# Altium PCB Sheet1.PcbDoc
Units mil, origin at the board's own origin, x right, y up, seen from the top; angles counter-clockwise.
Board outline 4430 x 5712 mil, 2 copper layers (Top Layer, Bottom Layer); 60 components, 63 nets, 267 pads, 0 vias.
Unrouted connection lines stored in the file: 1.
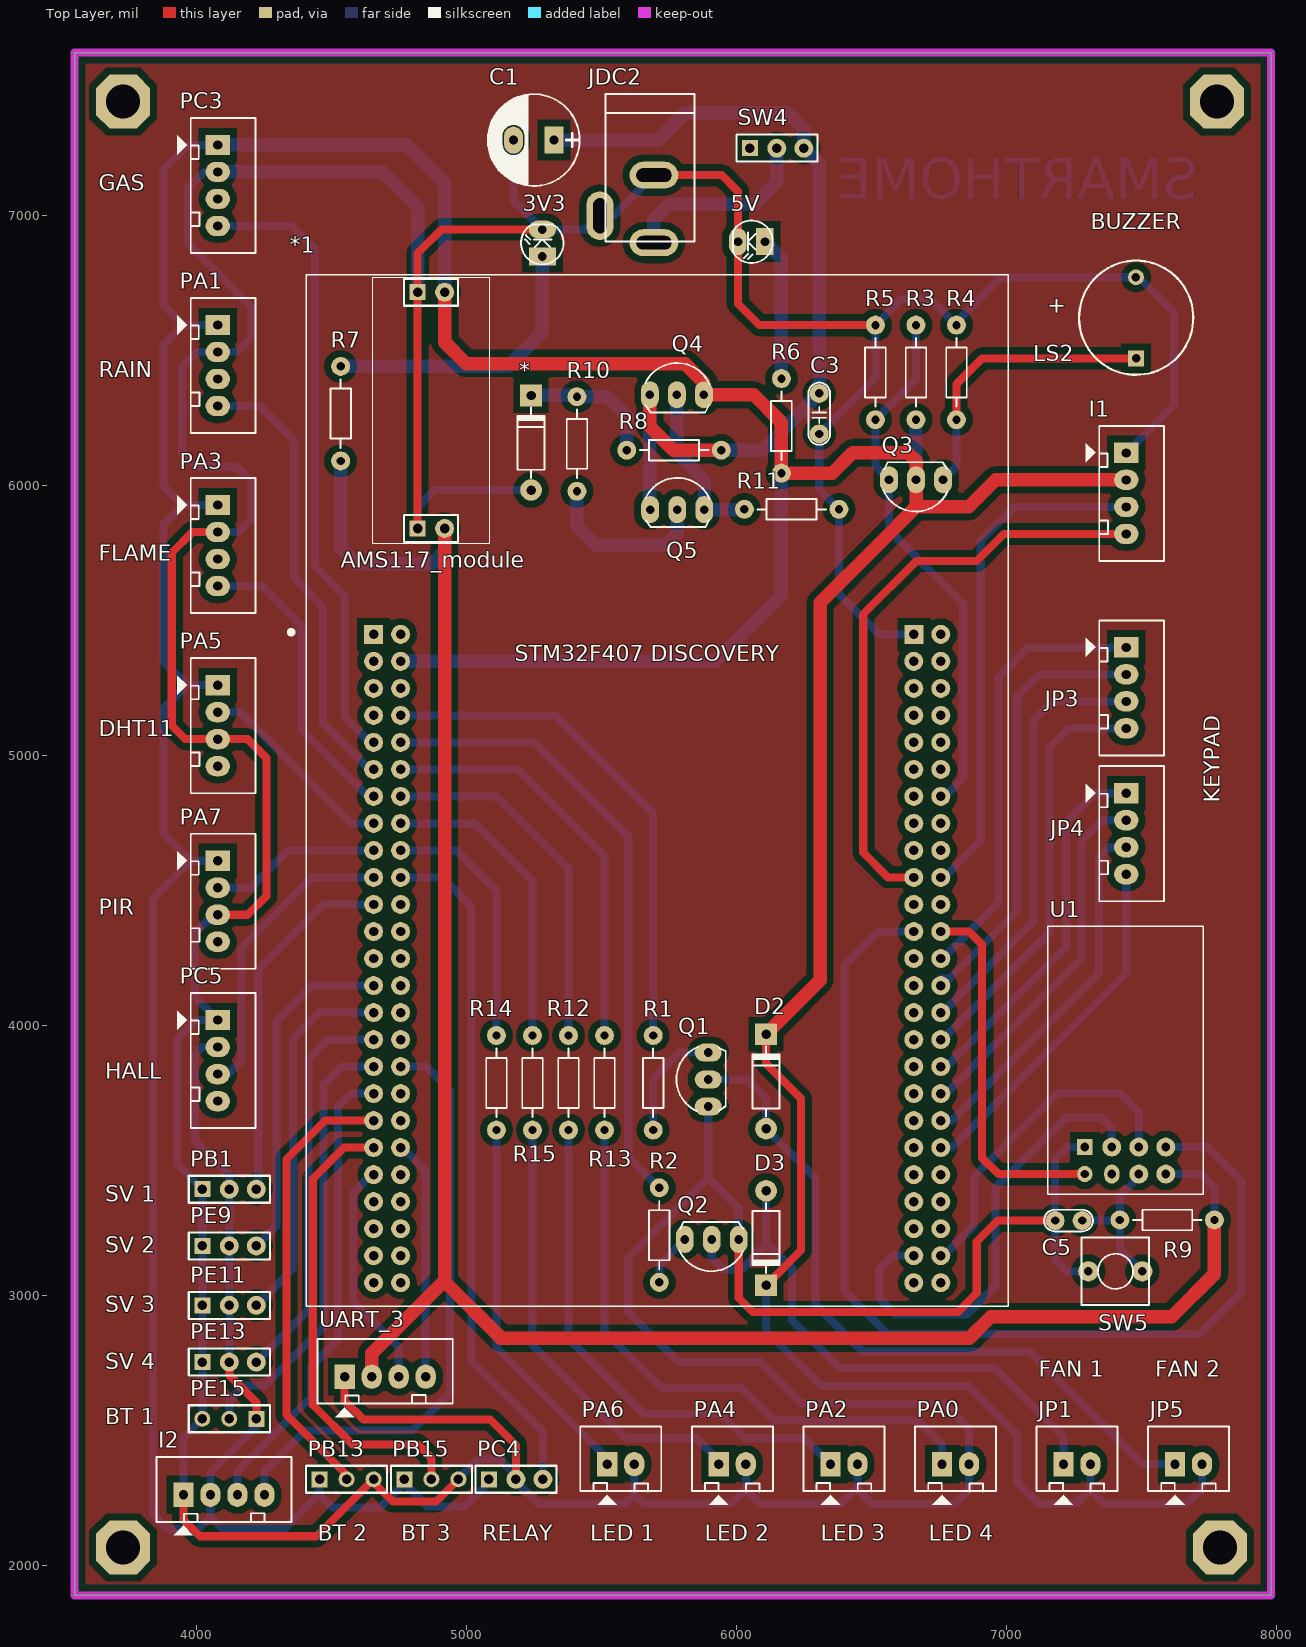
[diagram p0: Top Layer view]
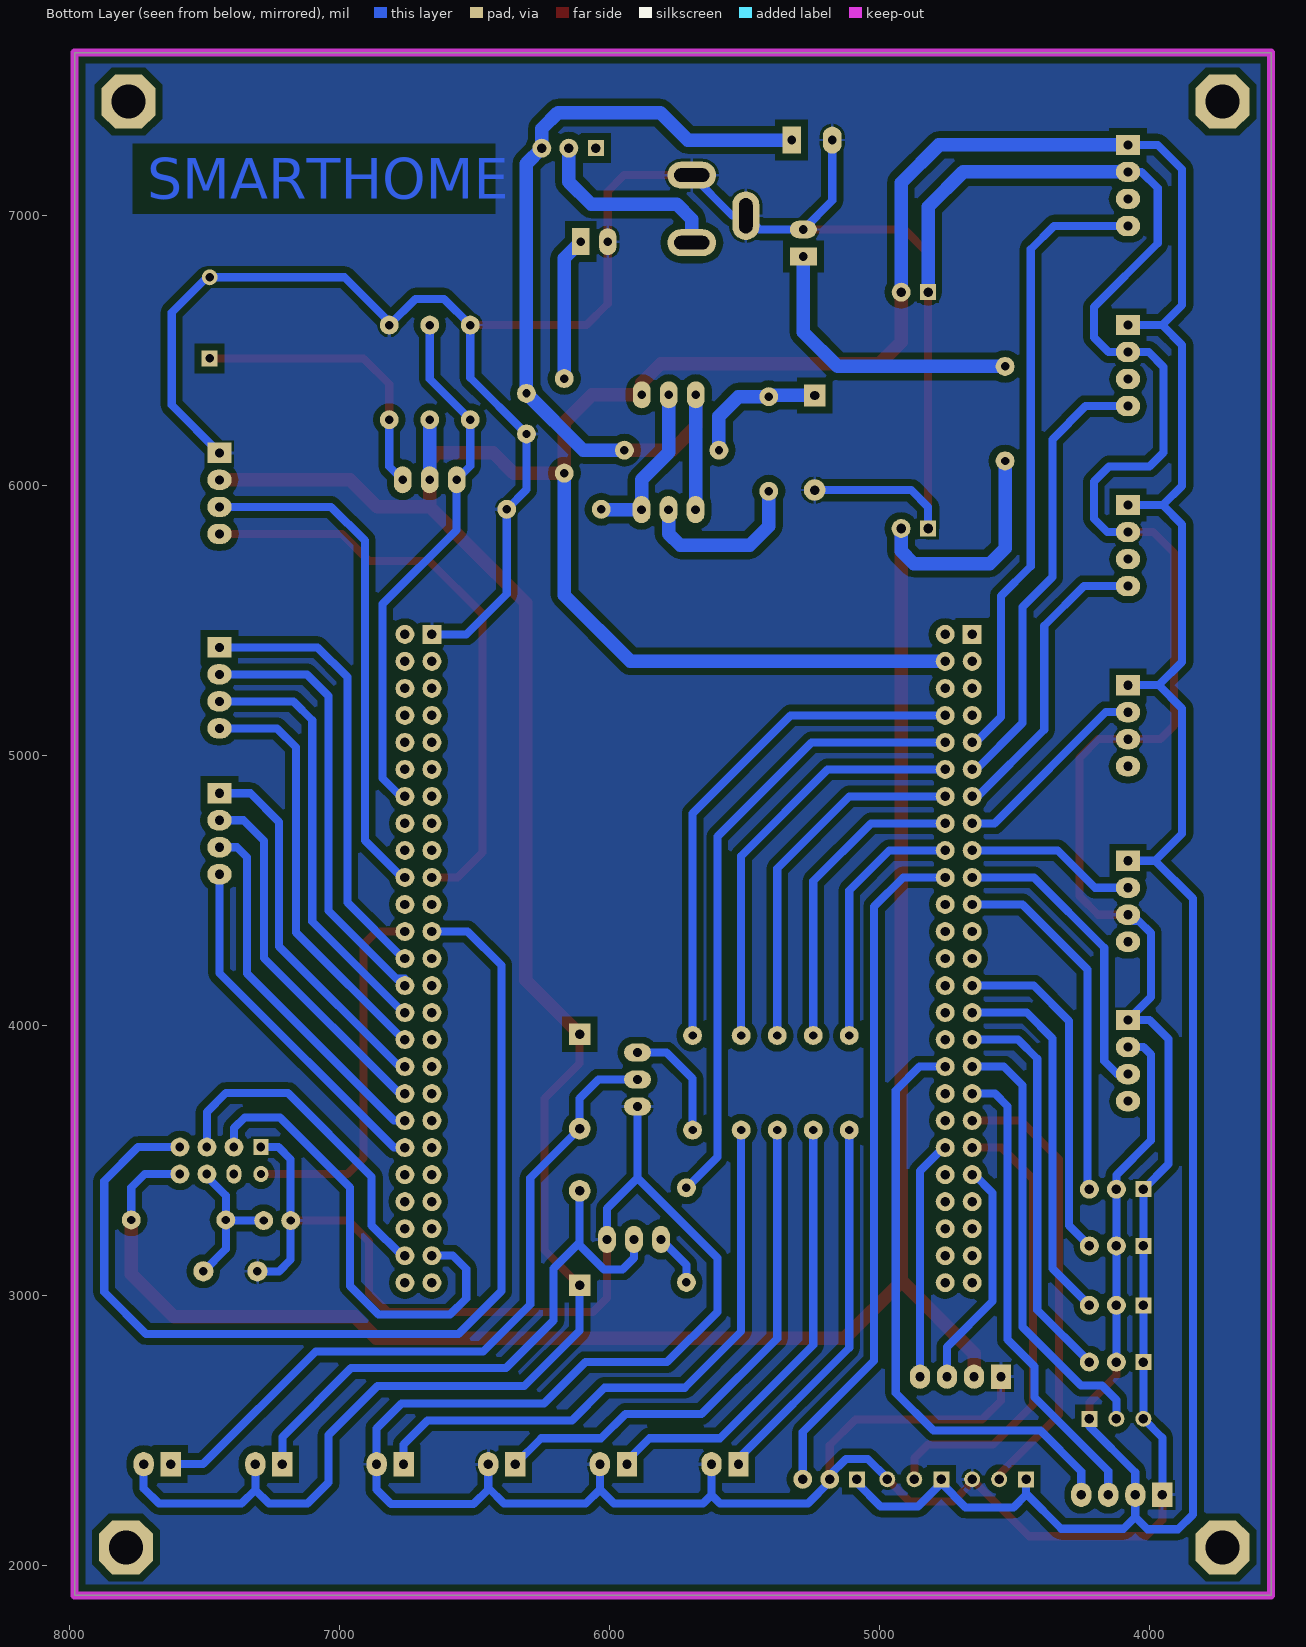
[diagram p1: Bottom Layer view, seen from below]
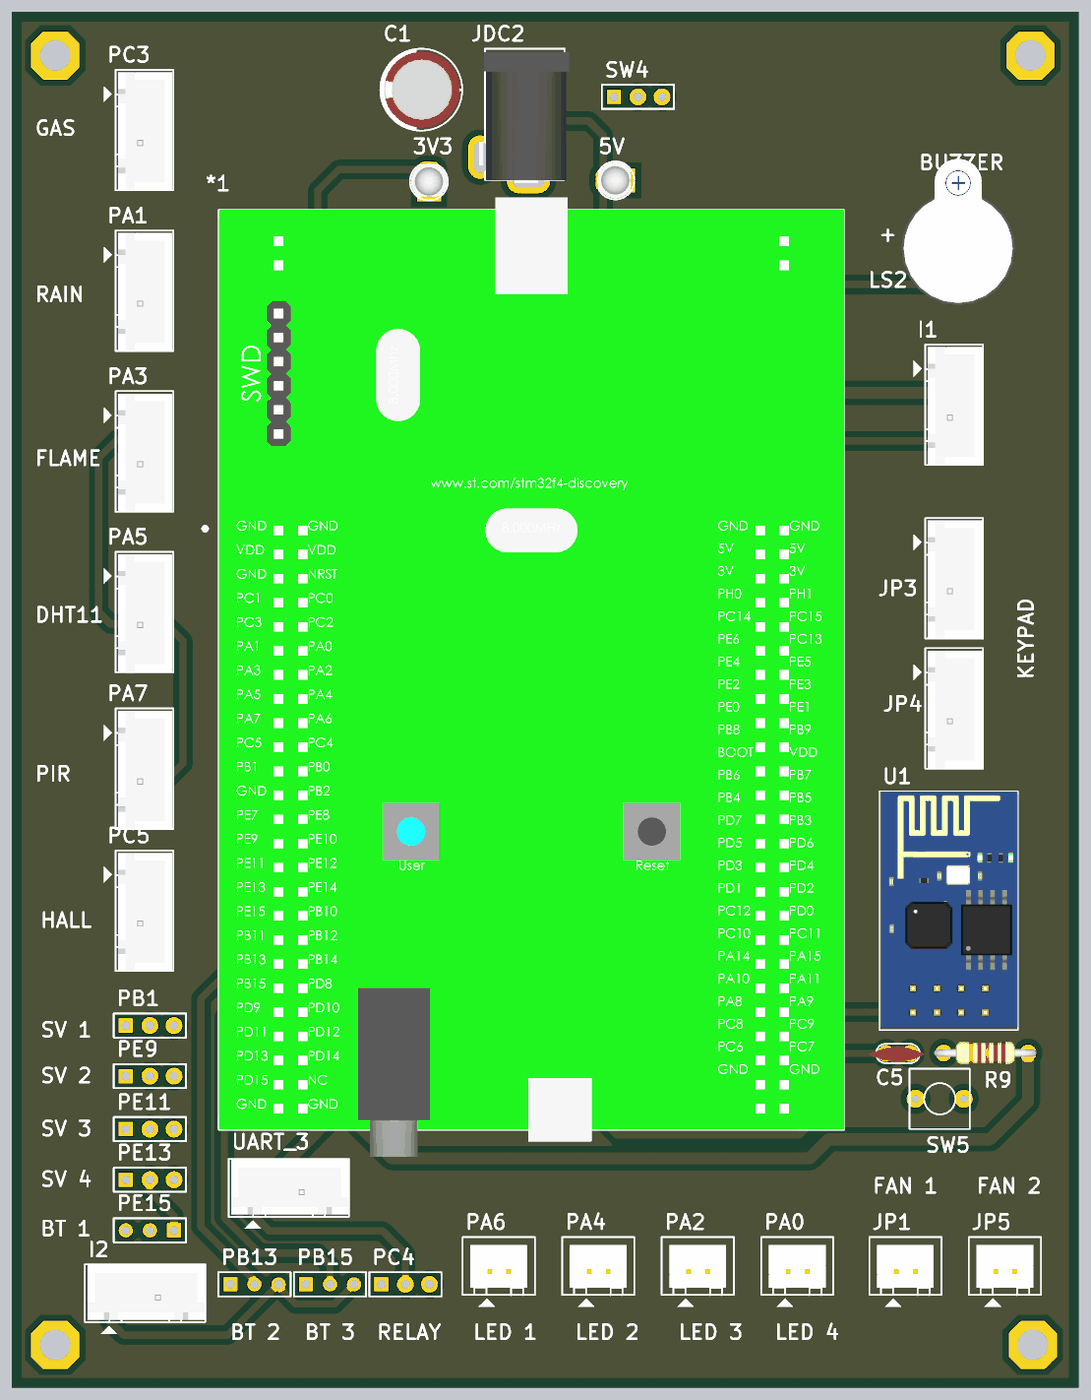
[diagram p2: 3D render of the assembled board from above, using the file's embedded part models]

## Layer stack, top to bottom
Top Solder: solder mask 0.4, Solder Resist, Dk 3.5
Top Layer: signal copper 1.4
Dielectric 1: dielectric 12.6, FR-4, Dk 4.8
Bottom Layer: signal copper 1.4
Bottom Solder: solder mask 0.4, Solder Resist, Dk 3.5

## Board outline
3550,1890 7980,1890 7980,7602 3550,7602

## Design rules (kind name [scope] priority, off if disabled: settings)
Clearance [All] p1: gap=25 ignorepadtopadclearanceinfootprint=FALSE
PolygonConnect [All] p1: connectstyle=Relief reliefconductorwidth=10 reliefentries=4 polygonreliefangle="90 Angle" airgapwidth=10
RoutingVias [All] p1: holewidth=28 width=50 viastyle="Through Hole" minholewidth=28 minwidth=50 maxholewidth=28 maxwidth=50
SolderMaskExpansion [All] p1: expansion=4
UnRoutedNet [All] p1: checkbadconnections=TRUE
Width [All] p1: maxlimit=70 minlimit=10 preferedwidth=30
29 further rules are at their usual default settings.

## Components (designator, comment, footprint, x,y, rotation, side; value= is the part's Value field where it differs from the comment)
3V3 "LED" LED-3 5282,6847 r90 top locked value="LED 3 ly Single Colour"
5V "LED" LED-3 6106,6901.6 r180 top locked value="LED 3 ly Single Colour"
* "Zener" D1A 5240,5982.4 r270 top locked
*1 "Component_1" MODULE_STM32F4DISCOVERY 5707,4870.05 r0 top locked
AMS117_module "Component_1" PCBComponent_1 4653.47,6769.53 r0 top locked
C1 "1000uF/16V" CP1.5/3.4 5325,7278 r180 top locked
C3 "104" CN1.5 6307,6190 r90 top locked value=0.01uF
C5 "104" CN1 7280,3278 r180 top locked value=100pF
D2 "1N4007" D1A 6110,3618 r270 top locked
D3 "1N4007" D1A 6110,3388 r90 top locked
I1 "" CON4 7443.5,6120 r270 top locked value="Connector 4"
I2 "" CON4 3953,2262.5 r0 top locked value="Connector 4"
JDC2 "Jac DC" DC-IN 5595,7023 r270 top locked
JP1 "FAN_5V" CON2 7210.8,2376 r0 top locked value="Connector 2"
JP3 "JP4" CON4 7443.5,5400 r270 top locked value="Connector 4"
JP4 "JP4" CON4 7443.5,4860 r270 top locked value="Connector 4"
JP5 "FAN_5V" CON2 7624,2376 r0 top locked value="Connector 2"
LS2 "Speaker" SPEAKER 7480,6470 r90 top locked
PA0 "" CON2 6761.6,2376 r0 top locked value="Connector 2"
PA1 "" CON4 4080,6593.33 r270 top locked value="Connector 4"
PA2 "" CON2 6348.4,2376 r0 top locked value="Connector 2"
PA3 "" CON4 4080,5926.67 r270 top locked value="Connector 4"
PA4 "" CON2 5935.2,2376 r0 top locked value="Connector 2"
PA5 "" CON4 4080,5260 r270 top locked value="Connector 4"
PA6 "" CON2 5522,2376 r0 top locked value="Connector 2"
PA7 "" CON4 4080,4610 r270 top value="Connector 4"
PB1 "Header 3" HDR1X3#1 4023,3394 r0 top locked
PB13 "Header 3" HDR1X3#2 4457,2320 r0 top locked
PB15 "Header 3" HDR1X3#2 4771,2320 r0 top locked
PC3 "" CON4 4080,7260 r270 top locked value="Connector 4"
PC4 "Header 3" HDR1X3#1 5084,2320 r0 top locked
PC5 "" CON4 4080,4020 r270 top value="Connector 4"
PE9 "Header 3" HDR1X3#1 4023,3184 r0 top locked
PE11 "Header 3" HDR1X3#1 4023,2964 r0 top locked
PE13 "Header 3" HDR1X3#1 4023,2754 r0 top locked
PE15 "Header 3" HDR1X3#2 4223,2544 r180 top locked
Q1 "C1815" QTO-92 5896,3800 r90 top locked
Q2 "C1815" QTO-92 5909,3208 r180 top locked
Q3 "C1815" QTO-92 6665.24,6020.43 r180 top locked
Q4 "C9015" QTO-92 5780,6335 r0 top locked
Q5 "C9015" QTO-92 5780.97,5910 r0 top locked
R1 "1k" R1/4W 5692,3963 r270 top locked value="R1/4W - 1K"
R2 "1k" R1/4W 5714.83,3399 r270 top locked value="R1/4W - 1K"
R3 "1k" R1/4W 6665,6593 r270 top locked value="R1/4W - 1K"
R4 "1k" R1/4W 6815,6593 r270 top locked value="R1/4W - 1K"
R5 "1k" R1/4W 6515,6593 r270 top locked value="R1/4W - 1K"
R6 "1k" R1/4W 6167,6395 r270 top locked value="R1/4W - 1K"
R7 "1k" R1/4W 4535,6090 r90 top locked value="R1/4W - 1K"
R8 "2k" R1/4W 5944.4,6130 r180 top value="R1/4W - 1K"
R9 "1k" R1/4W 7420,3280 r0 top locked value="R1/4W - 1K"
R10 "1k" R1/4W 5410,5978 r90 top locked value="R1/4W - 1K"
R11 "1k" R1/4W 6380,5910.97 r180 top locked value="R1/4W - 1K"
R12 "220" R1/4W 5378.67,3963 r270 top locked value="R1/4W - 1K"
R13 "220" R1/4W 5512,3963 r270 top locked value="R1/4W - 1K"
R14 "220" R1/4W 5112,3963 r270 top locked value="R1/4W - 1K"
R15 "220" R1/4W 5245.33,3963 r270 top locked value="R1/4W - 1K"
SW4 "Switch 3x1" HDR1X3#1 6050,7248 r0 top locked value="Switch 4x2"
SW5 "SW" SW2 7503,3090 r180 top locked value="SW chip 2 pin"
U1 "ESP-01" ESP8266 7438,3507 r180 top locked
UART_3 "" CON4 4550,2700 r0 top locked value="Connector 4"

## Footprints (in the part's own frame and the unit in brackets; to place one, negate y for a bottom-side part, rotate by r counter-clockwise, add the part's x,y. Pads: shape width x height; smd on the part's side, far side on the other; paste and mask are expansions set on the pad)
CN1 [mil]
  round 70 hole 31: 1(0,0) 2(100,0)
  silkscreen extent -40,-40 141,40, body extent -60,-30 170,37, height 265
CN1.5 [mil]
  round 70 hole 31: 1(0,0) 2(150,0)
  silkscreen extent -40,-40 190,40, body extent -40,-33 190,33, height 235
CON2 [mil] "CON2"
  rect 75x90 hole 34: 1(0,0)
  oval 75x90 hole 34: 2(100,0)
  silkscreen extent -100,-150 200,140, body extent -68,-70 168,107, height 236
CON4 [mil] "CON4"
  rect 75x90 hole 34: 1(0,0)
  oval 75x90 hole 34: 2(100,0) 3(200,0) 4(300,0)
  silkscreen extent -100,-150 400,140, body extent -90,-90 398,136, height 276
CP1.5/3.4 [mil] "Tu hoa 220->470uF,16V, 470uF/16V,25V"
  rect 70x100 hole 32: 1(0,0)
  oval 70x100 hole 32: 2(150,0)
  silkscreen extent -95,-170 245,170, body extent -85,-157 230,157, height 446
D1A [mil] "Diode 1A, W 100mil, L 350mil"
  round 80 hole 35: 1(0,0)
  rect 80x80 hole 35: 2(-350,0)
  silkscreen extent -305,-50 -45,50, body extent -386,-33 34,36, height 84
DC-IN [mil] "Jac DC input"
  oval 100x180 hole 50 slot 130 at 90 deg: 1(125,100) 2(-125,100)
  oval 180x100 hole 50 slot 130 at 0 deg: 3(25,-100)
  silkscreen extent -425,-80 120,250, body extent -410,-105 134,269, height 434
ESP8266 [mil]
  oval 56x60 hole 30: 1(148,57)
  oval 56x70 hole 32: 2(48,57)
  round 70 hole 32: 3(-52,57) 4(-152,57) 5(-152,-43) 6(-52,-43) 7(48,-43)
  rect 56x60 hole 32: 8(148,-43)
  silkscreen extent -290,-860 285,132, body extent -290,-858 281,118, height 566
HDR1X3#1 [mm] "Connector; Header; 3 Position"
  rect 1.5x1.5 hole 0.9: 1(0,0)
  round 1.778 hole 0.9: 2(2.54,0) 3(5.08,0)
  silkscreen extent -1.27,-1.27 6.35,1.27
HDR1X3#2 [mm] "Connector; Header; 3 Position"
  rect 1.5x1.5 hole 0.9: 1(0,0)
  round 1.5 hole 0.9: 2(2.54,0) 3(5.08,0)
  silkscreen extent -1.27,-1.27 6.35,1.27
LED-3 [mil] "LED 2 PIN, 3ly Only colour"
  rect 65x100 hole 32: 1(0,0)
  oval 65x100 hole 32: 2(100,0)
  silkscreen extent -29,-78 118,79, body extent -13,-75 125,75, height 217
MODULE_STM32F4DISCOVERY [mil]
  rect 70x70 hole 35: 1(-1050,577.95) 51(950,577.95)
  round 70 hole 35: 2(-1050,477.95) 3(-1050,377.95) 4(-1050,277.95) 5(-1050,177.95) 6(-1050,77.95) 7(-1050,-22.05) 8(-1050,-122.05) 9(-1050,-222.05) 10(-1050,-322.05) 11(-1050,-422.05) 12(-1050,-522.05) 13(-1050,-622.05) 14(-1050,-722.05) 15(-1050,-822.05) 16(-1050,-922.05) 17(-1050,-1022.05) 18(-1050,-1122.05) 19(-1050,-1222.05) 20(-1050,-1322.05) 21(-1050,-1422.05) 22(-1050,-1522.05) 23(-1050,-1622.05) 24(-1050,-1722.05) 25(-1050,-1822.05) 26(-950,577.95) 27(-950,477.95) 28(-950,377.95) 29(-950,277.95) 30(-950,177.95) 31(-950,77.95) 32(-950,-22.05) 33(-950,-122.05) 34(-950,-222.05) 35(-950,-322.05) 36(-950,-422.05) 37(-950,-522.05) 38(-950,-622.05) 39(-950,-722.05) 40(-950,-822.05) 41(-950,-922.05) 42(-950,-1022.05) 43(-950,-1122.05) 44(-950,-1222.05) 45(-950,-1322.05) 46(-950,-1422.05) 47(-950,-1522.05) 48(-950,-1622.05) 49(-950,-1722.05) 50(-950,-1822.05) 52(950,477.95) 53(950,377.95) 54(950,277.95) 55(950,177.95) 56(950,77.95) 57(950,-22.05) 58(950,-122.05) 59(950,-222.05) 60(950,-322.05) 61(950,-422.05) 62(950,-522.05) 63(950,-622.05) 64(950,-722.05) 65(950,-822.05) 66(950,-922.05) 67(950,-1022.05) 68(950,-1122.05) 69(950,-1222.05) 70(950,-1322.05) 71(950,-1422.05) 72(950,-1522.05) 73(950,-1622.05) 74(950,-1722.05) 75(950,-1822.05) 76(1050,577.95) 77(1050,477.95) 78(1050,377.95) 79(1050,277.95) 80(1050,177.95) 81(1050,77.95) 82(1050,-22.05) 83(1050,-122.05) 84(1050,-222.05) 85(1050,-322.05) 86(1050,-422.05) 87(1050,-522.05) 88(1050,-622.05) 89(1050,-722.05) 90(1050,-822.05) 91(1050,-922.05) 92(1050,-1022.05) 93(1050,-1122.05) 94(1050,-1222.05) 95(1050,-1322.05) 96(1050,-1422.05) 97(1050,-1522.05) 98(1050,-1622.05) 99(1050,-1722.05) 100(1050,-1822.05)
  silkscreen extent -1363,-1909 1299,1909, body extent -1298,-2020 1300,1960, height 969
PCBComponent_1 [mm]
  round 1.778 hole 0.9: 1(6.765,-1.39) 3(6.77,-23.61)
  rect 1.5x1.5 hole 0.9: 2(4.225,-1.39) 4(4.23,-23.61)
  silkscreen extent 0,-25 11,0.25
QTO-92 [mil] "TO-92"
  oval 66x100 hole 32: 1(-100,0) 2(0,0) 3(100,0)
  silkscreen extent -117,-65 120,118, body extent -109,-66 109,95, height 245
R1/4W [mil] "R 1/4W, 2 Pin, 350mil"
  round 70 hole 31: 1(0,0) 2(350,0)
  silkscreen extent 48,-38 302,38, body extent -40,-47 386,47, height 111
SPEAKER [mm]
  rect 1.5x1.5 hole 0.8: 1(0,0)
  round 1.5 hole 0.8: 2(7.62,0.013)
  silkscreen extent -1.55,-5.38 9.18,5.36, body extent -2.22,-6 13.24,6, height 4.5
SW2 [mil] "SW button 2pin, 250x 250 mil"
  round 75 hole 31: 1(0,0) 2(200,0)
  silkscreen extent -25,-125 225,125

## Part data
3V3 5V: "LED Single colour Green and Red"
C1: library part CP4, "Cap 1000uF/16V - 220uF/50V", Description 1="2200uF-3300uF/6,3V - 1000uF-2200uF/10V", Description 2="1000uF/16V - 470uF => 1000uF/25V - 100uF/100V", Description 3=330uF>470uF/35V_220uF>470uF/50V_10uF>22uF/250V, Description 4="220uF => 330uF/63V - 10uF =>33uF/160 - 200V", Description 5="4,7uF>10uF/250V_3,3uF>10uF/400V - 2,2uF>4,7uF/450V"
C3: library part CN1.5, "Cap np 682pF => 104pF"
C5: library part CN1, "Cap np  1pF - 472pF"
D2 D3: library part D1A, "Diode 1A"
I1 I2 JP3 JP4 PA1 PA3 PA5 PA7 PC3 PC5 UART_3: library part Con4, "Connector 4"
JDC2: library part DCIN, "Jac DC input"
JP1 JP5 PA0 PA2 PA4 PA6: library part Con2, "Connector 2"
LS2: "Loudspeaker", LatestRevisionDate=17-Jul-2002, LatestRevisionNote="Re-released for DXP Platform.", PackageReference=PIN2, Published=24-Mar-1999, Publisher="Altium Limited"
PB1 PB13 PB15 PC4 PE9 PE11 PE13 PE15: "Header, 3-Pin", LatestRevisionDate=17-Jul-2002, LatestRevisionNote="Re-released for DXP Platform.", Publisher="Altium Limited"
Q1 Q2 Q3: "NPN 600mW, ECB", =C2383
Q4 Q5: library part C9013, "PNP 600mW, EBC", =C9013
R1 R2 R3 R4 R5 R6 R7 R8 R9 R10 R11 R12 R13 R14 R15: library part R1/4W, "Resistor 1/4W"
SW4: library part SW3x1
SW5: library part SW2, "Switch button 2 pin"
U1: library part ESP8266-01, "ESP-12 Wi-Fi Module"

## Free pads (board coordinates)
  oct 200x200 hole 125.98: 14(3730,2068.22) 14(3730,7420) 14(7780,7420) 14(7790,2068.22)

## Nets (pads, with @x,y where several pads share a name; then routed paths per layer and width w, separated by ;. In a path a pad name is that pad's centre, name@x,y a point inside that pad or via, vN(x,y) a via of type N, cw(c..) or ccw(c..) an arc to the next point about the centre after c; other vN are vias at no path point)
3V3: AMS117_module.3 R7.1 R9.2 U1.2 U1.4 UART_3.2 | length 7641.5
  Top Layer w50: UART_3.2 4650,2786 4920,3056 AMS117_module.3 ; 4920,3051.75 5128.75,2843 6863,2843 6941.5,2921.5 7611.5,2921.5 7770,3080 R9.2
  Bottom Layer w30: U1.4 7720,3450 7770,3400 R9.2
  Bottom Layer w50: R7.1 4535,5767 4592,5710 4873.33,5710 4920,5756.67 AMS117_module.3
5V: *1.27 AMS117_module.1 D2.2 D3.2 I1.2 I2.2 JP1.2 JP5.2 PA1.1 PA3.1 PA5.1 PA7.1 PB1.2 PB13.1 PB15.1 PC3.1 PC4.1 PC5.2 PE9.2 PE11.2 PE13.2 PE15.1 Q3.2 Q4.3 R3.2 R6.2 | length 21929.1
  Top Layer w30: PE13.2 4123,2704 4223,2604 PE15.1 ; D3.2 6240,3168 6240,3730 6110,3860 D2.2
  Top Layer w50: AMS117_module.1 4919.8,6530.2 5000,6450 5810,6450 5880,6380 Q4.3 6064.4,6335 6167,6232.4 R6.2 6354.81,6045 6430.24,6120.43 6635,6120.43 6665.24,6090.19 Q3.2 6665.24,5920 ; D2.2 6310,4168 6310,5564.76 6525.24,5780 6665.24,5920 ; I1.2 6960,6020 6860,5920 6665.24,5920
  Bottom Layer w30: 4053,2180.75 I2.2 4053,2346 4223,2516 PE15.1 ; PC5.2 4022.5,3920 3995,3892.5 3995,3575 4123,3447 PB1.2 PE9.2 PE11.2 PE13.2 ; PA7.1 3980,4610 ; PA5.1 3966,5260 ; PA3.1 3951.33,5926.67 ; PA1.1 3953.33,6593.33 ; PC3.1 3970,7260 3880,7170 3880,6666.67 3953.33,6593.33 ; PB13.1 4457,2267 ; PB15.1 PB15.1@4771,2306 ; PC4.1 5084,2308 4996,2220 4857,2220 PB15.1@4771,2306 ; D3.2 6110,2870 6315,2665 6859,2665 7040,2484 7040,2308 7118,2230 7259.8,2230 7310.8,2281 ; Q3.2@6665,6020.67 Q3.2 ; JP1.2 7310.8,2281 ; JP5.2 7724,2286.5 7667.5,2230 7361.8,2230 7310.8,2281 ; 3951.33,5926.67 3880,5855.33 3880,5346 3966,5260 ; 3951.33,5926.67 3880,5998 3880,6520 3953.33,6593.33 ; 3966,5260 3880,5174 3880,4710 3980,4610 ; 3980,4610 3840,4470 3840,2190 3895,2135 4008,2135 4053,2180 4096,2137 4327,2137 4457,2267 ; 4457,2267 4457,2263 4504,2216 4681,2216 PB15.1@4771,2306
  Bottom Layer w50: PC3.1 4780,7260 4919.8,7120.2 AMS117_module.1 ; *1.27 5922,5348 6167,5593 R6.2 ; Q3.2@6665,6020.67 R3.2
"Blue LED": *1.48
ESP_RST: C5.1 R9.1 SW5.1 U1.3 | length 564.2
  Bottom Layer w30: C5.1 7418,3278 R9.1 ; U1.3 7490,3440 7420,3370 R9.1 ; SW5.1 7420,3173 R9.1
GND: 3V3.2 5V.2 *1.51 *.1 AMS117_module.2 AMS117_module.4 C1.2 C3.1 C5.2 I1.1 I2.1 JDC2.2 JDC2.3 LS2.2 PA0.2 PA1.2 PA2.2 PA3.2 PA4.2 PA5.3 PA6.2 PA7.3 PB1.1 PB13.3 PB15.3 PC3.2 PC4.2 PC5.1 PE9.1 PE11.1 PE13.1 PE15.3 Q1.1 Q2.1 R4.1 R5.1 R11.1 SW5.2 U1.8 UART_3.1 | length 24810.4
  Top Layer w30: I2.1 3953,2170 4014,2109 4446,2109 PB13.3 4657,2309 4728,2238 4889,2238 PB15.3 ; PA7.3 4190,4410 4260,4480 4260,4990 4190,5060 PA5.3 3960,5060 3910,5110 3910,5750 3986.67,5826.67 PA3.2 ; UART_3.1 4550,2611 4620,2541 5089,2541 5184,2446 PC4.2 ; AMS117_module.4 4819.8,5840.2 AMS117_module.2 4819.8,6858.8 4908,6947 3V3.2 ; JDC2.2 5946,7148 6006,7088 5V.2 6006,6672 6085,6593 R5.1 ; Q2.1 6009,2991.6 6060.6,2940 6820,2940 6890,3010 6890,3200 6968,3278 C5.2
  Bottom Layer w30: I2.1 3953,2474 PE15.3 PE13.1 PE11.1 PE9.1 PB1.1 3930,3487 3930,3950 4000,4020 PC5.1 3995,4105 3995,4342.1 4040.4,4387.5 4057.5,4387.5 PA7.3 ; PA3.2 4156.67,5826.67 4206,5876 4206,6014 4150,6070 4000.5,6070 3948.5,6122 3948.5,6438.5 4003.33,6493.33 PA1.2 4152,6493.33 4206,6547.33 4206,6660 3970,6896 3970,7100 4030,7160 PC3.2 ; AMS117_module.4 4820,5920 4882.4,5982.4 *.1 ; PB15.3 4971,2322.62 5043.38,2395 5124.62,2395 5184,2335.62 PC4.2 5184,2311.33 5265.33,2230 5590,2230 5622,2262 ; C1.2 5175,7054 3V3.2 5444,6947 JDC2.3 5545,6998 JDC2.2 ; PA6.2 5622,2262 ; Q1.1 5896,3435 ; Q2.1 6009,3322 5896,3435 ; 6035.2,2295.2 PA4.2 ; PA2.2 6448.4,2288.9 ; *1.51 6530,5448 6380,5598 R11.1 6307,5983.97 C3.1 6515,6398 R5.1 6612,6690 6718,6690 R4.1 6815,6605 6980,6770 LS2.2 7490,6770 7620,6640 7620,6296.5 I1.1 ; U1.8 7225,3550 7180,3505 C5.2 7180,3133 7223,3090 SW5.2 ; 5622,2262 5654,2230 5982.8,2230 6035.2,2282.4 6087.6,2230 6389.5,2230 6448.4,2288.9 ; 5896,3435 5600,3139 5600,2940 5786,2754 6089,2754 6242,2601 6769,2601 6861.6,2508.4 PA0.2 6861.6,2281.6 6808,2228 6502.5,2228 6448.4,2282.1 6448.4,2288.9
  Bottom Layer w50: PC3.2 4690.5,7160 4819.8,7030.7 AMS117_module.2
"Green LED": *1.47
K_1: *1.92 JP4.1 | length 1375.7
  Bottom Layer w30: *1.92 6778,3848 7223,4293 7223,4754 7329,4860 JP4.1
K_2: *1.93 JP4.2 | length 1360.4
  Bottom Layer w30: *1.93 6776.8,3748 7278,4249.2 7278,4684 7354,4760 JP4.2
K_3: *1.94 JP4.3 | length 1358.2
  Bottom Layer w30: *1.94 6798,3648 7342,4192 7342,4623 7379,4660 JP4.3
K_4: *1.95 JP4.4 | length 1320.4
  Bottom Layer w30: *1.95 6798,3548 7443.5,4193.5 JP4.4
K_A: *1.88 JP3.1 | length 1652.8
  Bottom Layer w30: *1.88 6763.07,4248 6970,4454.93 6970,5290 7080,5400 JP3.1
K_B: *1.89 JP3.2 | length 1644.1
  Bottom Layer w30: *1.89 6757,4173 6788.07,4173 7040,4424.93 7040,5220 7120,5300 JP3.2
K_C: *1.90 JP3.3 | length 1600.1
  Bottom Layer w30: *1.90 6763.07,4048 7100,4384.93 7100,5130 7170,5200 JP3.3
K_D: *1.91 JP3.4 | length 1565
  Bottom Layer w30: *1.91 6763.07,3948 7160,4344.93 7160,5030 7230,5100 JP3.4
Net3V3_1: 3V3.1 R7.2 | length 1079.6
  Bottom Layer w50: R7.2 5155,6440 5282,6567 3V3.1
Net5V_1: 5V.1 R6.1 | length 531.9
  Bottom Layer w50: 5V.1 6167,6840.6 R6.1
Net*_2: *.2 R8.2 R10.2 | length 511.8
  Bottom Layer w30: R10.2@5405.6,6332.4 R10.2
  Bottom Layer w50: *.2 R10.2@5405.6,6332.4 ; R10.2 5522,6328 5594.4,6255.6 R8.2
NetC1_1: C1.1 C3.2 Q4.1 Q5.1 R8.1 SW4.3 | length 3288.8
  Top Layer w50: Q4.1 5680,6217.5 5767.5,6130 R8.1
  Bottom Layer w30: Q5.1@5680,5910.97 Q5.1
  Bottom Layer w50: C1.1 5710,7278 5812,7380 6190,7380 6250,7320 SW4.3 6307,7191 C3.2 6097,6130 R8.1 ; Q5.1@5680,5910.97 Q4.1
NetD2_1: D2.1 JP5.1 Q1.2 | length 2657.6
  Bottom Layer w30: Q1.2 6040,3800 6110,3730 D2.1 6293.1,3434.9 6293.1,2966.9 6467,2793 7087,2793 7504,2376 JP5.1
NetD3_1: D3.1 JP1.1 Q2.2 | length 2137.8
  Bottom Layer w30: Q2.2 5909,3139 5951,3097 6019.6,3097 6110,3187.4 6110,3196.77 ; D3.1 6110,3196.77 ; JP1.1 7210.8,2477.2 6956,2732 6383,2732 6206.77,2908.23 6206.77,3100 6110,3196.77
NetJDC2_1: JDC2.1 SW4.2 | length 724.2
  Bottom Layer w50: JDC2.1 5695,6985 5750,7040 6067,7040 6150,7123 SW4.2
NetLS2_1: LS2.1 Q3.1 R4.2 | length 1079.5
  Top Layer w30: R4.2 6815,6375 6910,6470 LS2.1
  Bottom Layer w30: Q3.1 6815,6070.19 R4.2
NetPA0_1: PA0.1 R13.2 | length 2241.4
  Bottom Layer w30: R13.2 5512,2868 5721,2659 6018,2659 6139,2538 6673,2538 6761.6,2449.4 PA0.1
NetPA2_1: PA2.1 R12.2 | length 1933.9
  Bottom Layer w30: R12.2 5378.67,2841.73 5658.4,2562 5941,2562 6031,2472 6252.4,2472 PA2.1
NetPA4_1: PA4.1 R15.2 | length 1676
  Bottom Layer w30: R15.2 5245.33,2817 5590.33,2472 5852,2472 5935.2,2388.8 PA4.1
NetPA6_1: PA6.1 R14.2 | length 1406.8
  Bottom Layer w30: R14.2 5112,2807 5522,2397 PA6.1
NetQ1_3: Q1.3 R1.2 | length 434.5
  Bottom Layer w30: R1.2 5692,3803.6 5788.4,3900 Q1.3
NetQ2_3: Q2.3 R2.2 | length 198
  Bottom Layer w30: R2.2 5714.83,3113.83 Q2.3
NetQ4_2: Q4.2 Q5.3 R11.2 | length 616.3
  Bottom Layer w30: R11.2@6029.03,5910 R11.2
  Bottom Layer w50: Q4.2 5780,6121.4 5880.97,6020.43 Q5.3 R11.2@6029.03,5910
NetQ5_2: Q5.2 R10.1 | length 636.8
  Bottom Layer w50: R10.1 5410,5848 5480,5778 5738,5778 5780.97,5820.97 Q5.2
"Orange LED": *1.23
PA0: *1.31 R13.1 | length 1552.5
  Bottom Layer w30: *1.31 5192,4948 5512,4628 R13.1
PA1: *1.6 PA1.4 | length 1684.9
  Bottom Layer w30: PA1.4 4236.67,6293.33 4360,6170 4360,5660 4470,5550 4470,5120 4642,4948 *1.6
PA2: *1.32 R12.1 | length 1350.5
  Bottom Layer w30: *1.32 5112,4848 5378.67,4581.33 R12.1
PA3: *1.7 PA3.4 | length 1125.1
  Bottom Layer w30: PA3.4 4243.33,5626.67 4390,5480 4390,5095 4637,4848 *1.7
PA4: *1.33 R15.1 | length 1148.4
  Bottom Layer w30: *1.33 5032,4748 5245.33,4534.67 R15.1
PA5: *1.8 PA5.2 | length 747.7
  Bottom Layer w30: PA5.2 4162.28,5160 4574.28,4748 *1.8
PA6: *1.34 R14.1 | length 953.3
  Bottom Layer w30: *1.34 4964,4648 5112,4500 R14.1
PA7: *1.9 PA7.2 | length 634.2
  Bottom Layer w30: PA7.2 4202,4510 4340,4648 *1.9
PB1: *1.11 PB1.3 | length 1343.3
  Bottom Layer w30: PB1.3 4230,3401 4230,4208 4470,4448 *1.11
PB13: *1.19 PB13.2 | length 1658.2
  Top Layer w30: PB13.2 4557,2337 4335,2559 4335,3505 4478,3648 *1.19
PB15: *1.20 PB15.2 | length 1708.6
  Top Layer w30: *1.20 4548,3548 4432,3432 4432,2596 4579,2449 4821,2449 4871,2399 PB15.2
PC0: *1.29 R1.1 | length 1907.4
  Bottom Layer w30: *1.29 5329,5148 5692,4785 R1.1
PC2: *1.30 R2.1 | length 2335.7
  Bottom Layer w30: *1.30 5252,5048 5600,4700 5600,3513.83 R2.1
PC3: *1.5 PC3.4 | length 2319.1
  Bottom Layer w30: PC3.4 4354,6960 4440,6874 4440,5700 4550,5590 4550,5142 4644,5048 *1.5
PC4: *1.35 PC4.3 | length 2537.1
  Bottom Layer w30: *1.35 4912,4548 5020,4440 5020,2759 5284,2495 PC4.3
PC5: *1.10 PC5.3 | length 1124.6
  Bottom Layer w30: PC5.3 4120,3820 4168,3868 4168,4288 4428,4548 *1.10
PE5: *1.82 Q3.3 R3.1 R5.2 | length 1985.2
  Bottom Layer w30: R3.1 6665,6393 R5.2 6515,6070.67 Q3.3 6565.24,5834.76 6840,5560 6840,4915.5 6772.5,4848 *1.82
PE9: *1.14 PE9.3 | length 1277.3
  Bottom Layer w30: PE9.3 4298,3259 4298,4017 4429,4148 *1.14
PE11: *1.15 PE11.3 | length 1382.1
  Bottom Layer w30: PE11.3 4359,3100 4359,3952 4455,4048 *1.15
PE13: *1.16 PE13.3 | length 1473.4
  Bottom Layer w30: PE13.3 4416,2947 4416,3877 4487,3948 *1.16
PE15: *1.17 PE15.2 | length 1639.4
  Bottom Layer w30: PE15.2 4123,2614 4176,2667 4254,2667 4471,2884 4471,3779 4540,3848 *1.17
"Red LED": *1.24
RX_1: *1.87 U1.1 | length 1367.7
  Top Layer w30: *1.87 6862,4348 6910,4300 6910,3510 6970,3450 U1.1
RX_3: *1.21 UART_3.3 | length 854.2
  Bottom Layer w30: *1.21 4649,3448 4581,3380 4581,2979 4750,2810 UART_3.3
RX_6: *1.99 U1.6 | length 1246.7
  Bottom Layer w30: *1.99 6767.8,3148 6880,3260.2 6880,3440 7190,3750 7420,3750 7490,3680 U1.6
SCL_1: *1.60 I1.4 | length 2204.6
  Top Layer w30: *1.60 6562,4548 6470,4640 6470,5523 6667,5720 6890,5720 6990,5820 I1.4
SCL_2: *1.42 I2.4 | length 2233.5
  Bottom Layer w30: I2.4 4253,2349 4404,2500 4800,2500 4940,2640 4940,3760 4852,3848 *1.42
SDA_1: *1.85 I1.3 | length 1905
  Bottom Layer w30: *1.85 6768,4548 6905,4685 6905,5795 7030,5920 I1.3
SDA_2: *1.18 I2.3 | length 1743.5
  Bottom Layer w30: I2.3 4153,2351 4425.89,2623.89 4425.89,2738.11 4526,2838.22 4526,3701 4573,3748 *1.18
TX_1: *1.62 U1.5 | length 3858.6
  Bottom Layer w30: *1.62 6525,4348 6400,4223 6400,3017 6559,2858 7715,2858 7870,3013 7870,3425 7745,3550 U1.5
TX_3: *1.45 UART_3.4 | length 890.1
  Bottom Layer w30: *1.45 4763.07,3548 4850,3461.07 UART_3.4
TX_6: *1.74 U1.7 | length 1743.3
  Bottom Layer w30: *1.74 6580,3148 6530,3098 6530,2990 6590,2930 6855,2930 6960,3035 6960,3400 7220,3660 7350,3660 7390,3620 U1.7
pads on no net: *1.1 *1.2 *1.3 *1.4 *1.12 *1.13 *1.22 *1.25 *1.26 *1.28 *1.36 *1.37 *1.38 *1.39 *1.40 *1.41 *1.43 *1.44 *1.46 *1.49 *1.50 *1.52 *1.53 *1.54 *1.55 *1.56 *1.57 *1.58 *1.59 *1.61 *1.63 *1.64 *1.65 *1.66 *1.67 *1.68 *1.69 *1.70 *1.71 *1.72 *1.73 *1.75 *1.76 *1.77 *1.78 *1.79 *1.80 *1.81 *1.83 *1.84 *1.86 *1.96 *1.97 *1.98 *1.100 PA1.3 PA3.3 PA5.4 PA7.4 PC3.3 PC5.4 SW4.1

## Polygon pours and split planes (outlines as drawn)
GND on Bottom Layer "Bottom Layer-GND" (solid, pour order 2): 3550,7602 3550,1890 7980,1890 7980,7602 3550,7602
no net on Top Layer (solid, pour order 6): 3550,7602 3550,1890 7980,1890 7980,7602

## Keep-outs
Keep-Out Layer:
  the board outline again, w30

## Other copper
Bottom Layer:
  text "SMARTHOME" at 7710,7060 h150

## Silkscreen, mask and mechanical layers (free items; w line width, h text height)
Top Overlay:
  text "GAS" at 3640,7090 h60
  text "BUZZER" at 7312,6947 h60
  text "RAIN" at 3640,6400 h60
  text "FLAME" at 3640,5720 h60
  text "DHT11" at 3640,5070 h60
  text "KEYPAD" at 7790,4824.5 h60 r90
  text "PIR" at 3640,4410 h60
  text "HALL" at 3663,3803 h60
  text "SV 1" at 3663,3348 h60
  text "SV 2" at 3663,3158 h60
  text "SV 3" at 3663,2938 h60
  text "SV 4" at 3663,2728 h60
  text "FAN 1" at 7120,2700 h60
  text "FAN 2" at 7550,2700 h60
  text "BT 1" at 3663,2523 h60
  text "BT 2" at 4450,2093 h60
  text "BT 3" at 4760,2093 h60
  text "RELAY" at 5060,2093 h60
  text "LED 1" at 5459.5,2093 h60
  text "LED 2" at 5883,2093 h60
  text "LED 3" at 6313,2093 h60
  text "LED 4" at 6713,2093 h60

## Text inside footprints (layer, text, board x,y; h text height)
*1: Top Overlay "STM32F407 DISCOVERY" at 5180,5348 h60
LS2: Top Overlay "+" at 7211.5,6630 h60 r90